# Altium PCB MU_MP_39_V1_ASMB.PcbDoc (part 8 of 15) (continued)
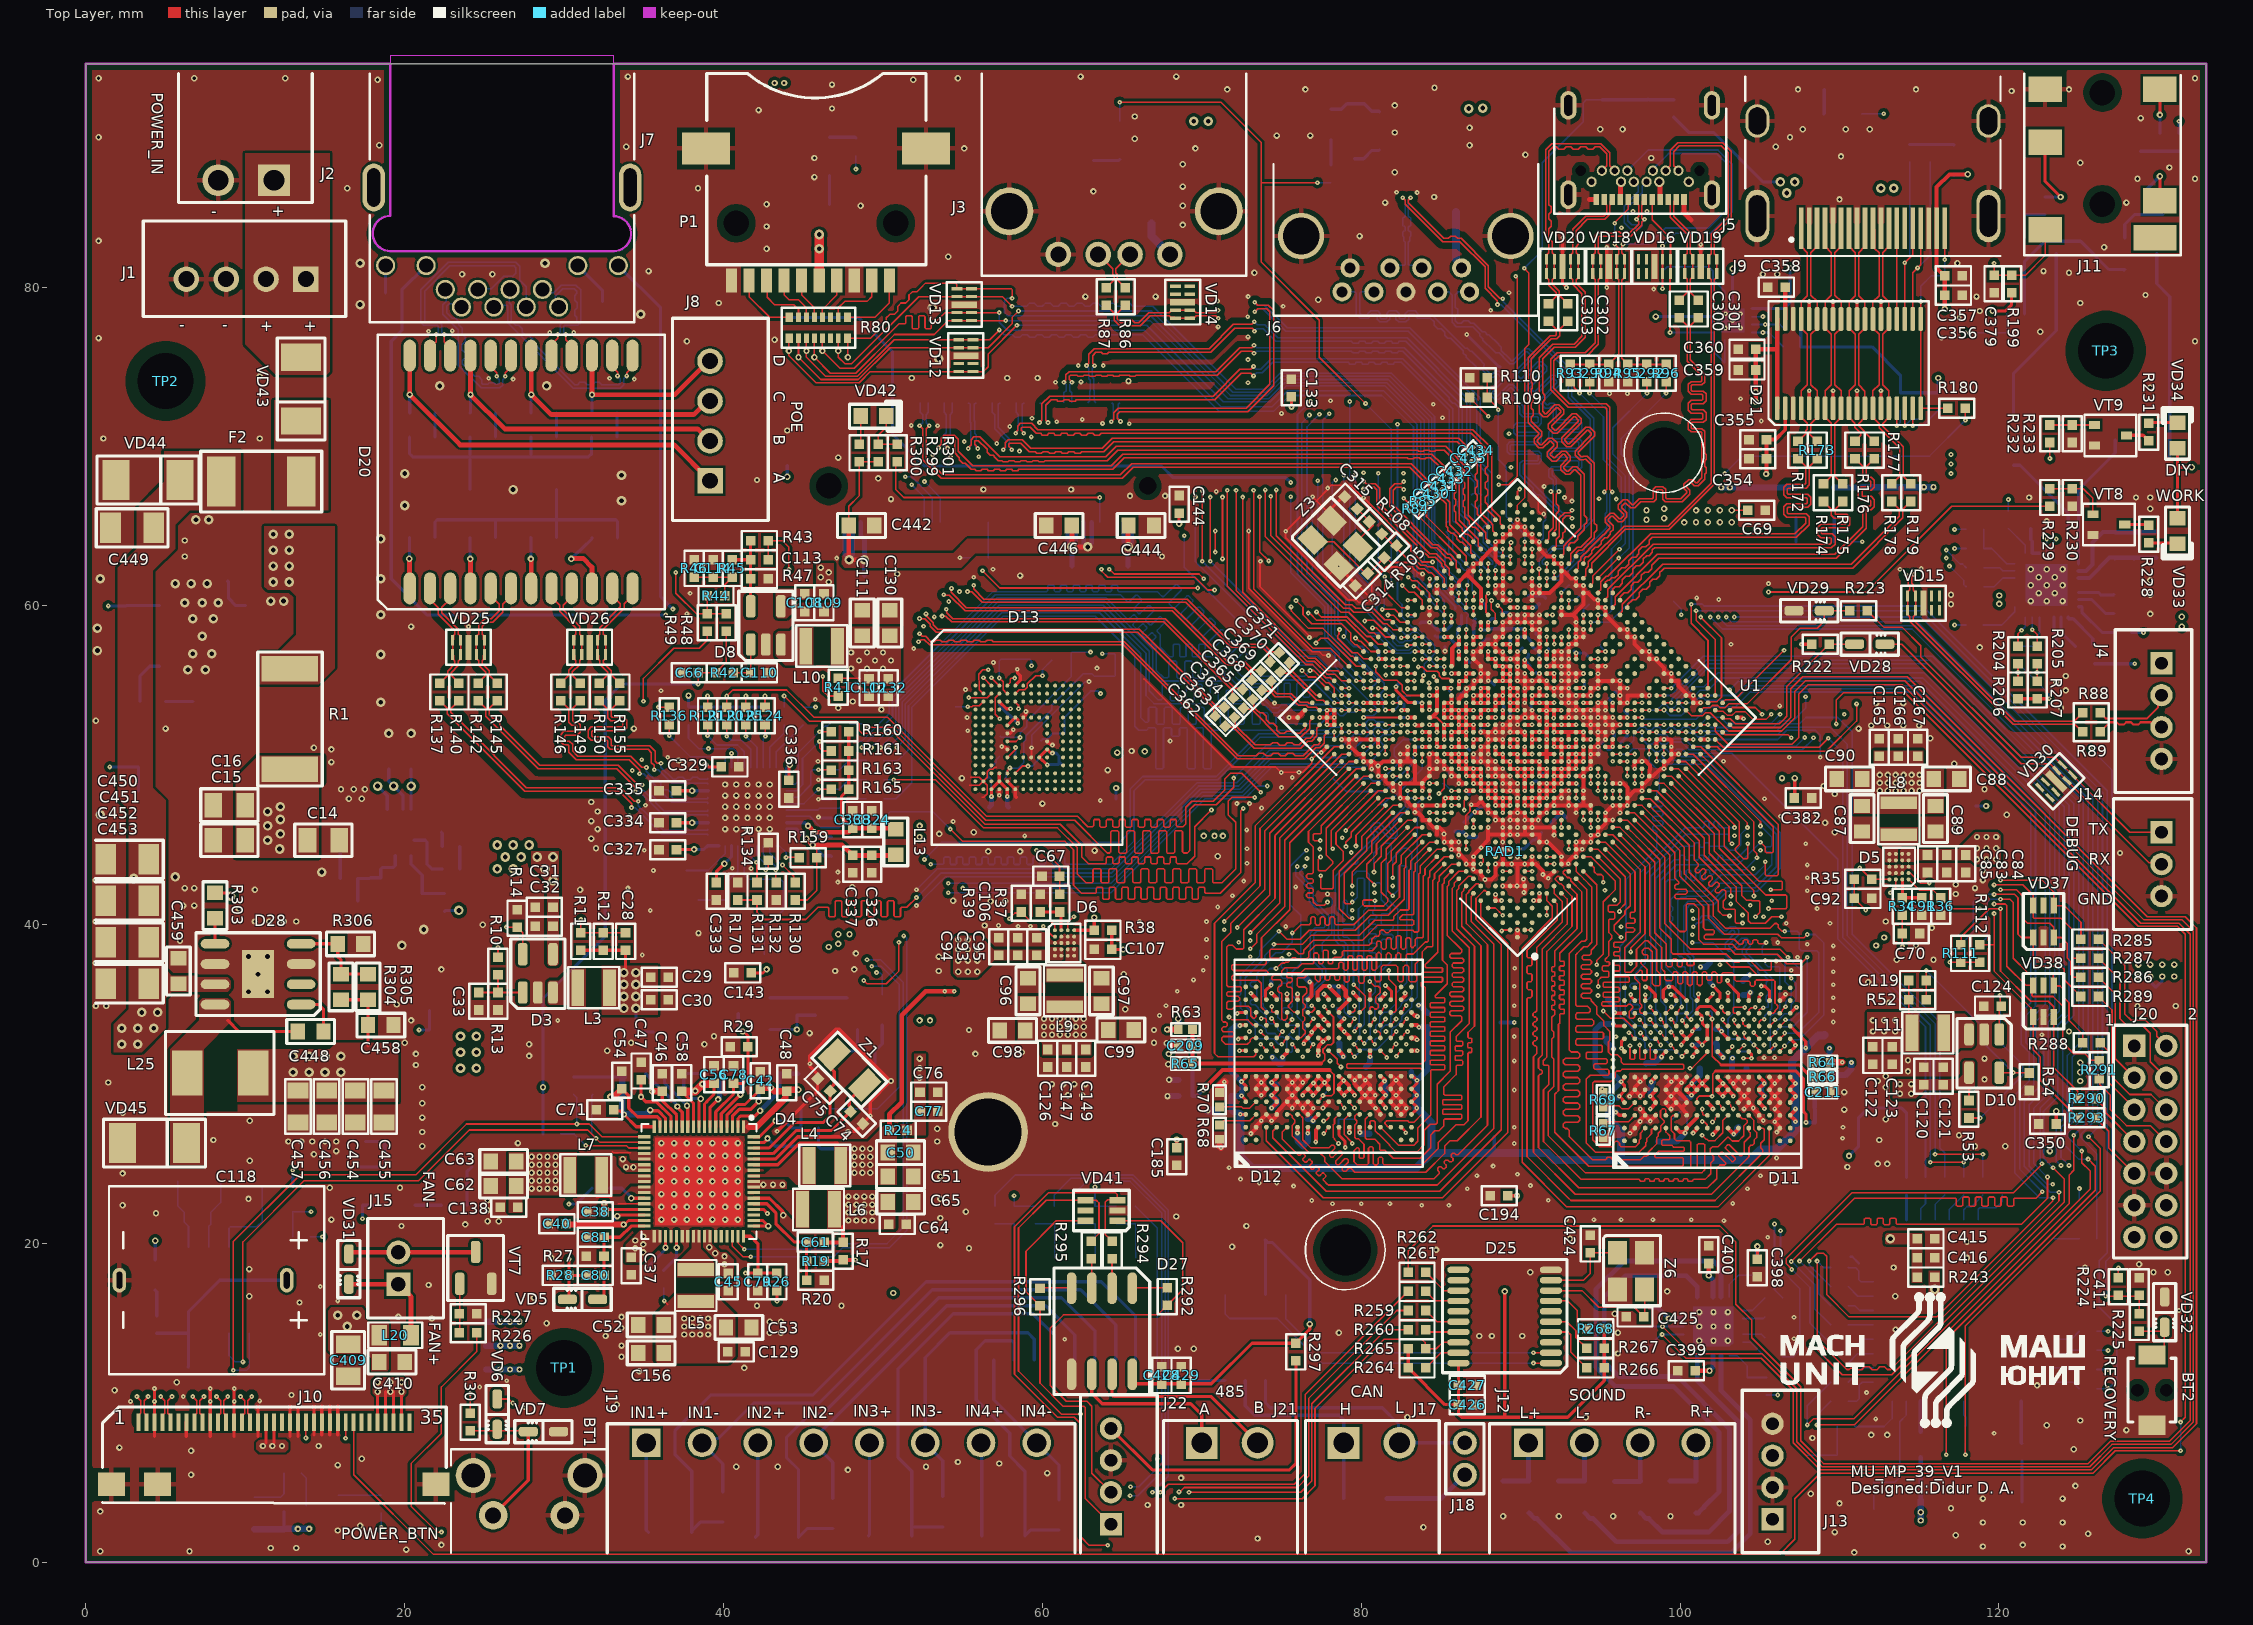
[diagram p0: Top Layer view]
## Nets (pads, with @x,y where several pads share a name; then routed paths per layer and width w, separated by ;. In a path a pad name is that pad's centre, name@x,y a point inside that pad or via, vN(x,y) a via of type N, cw(c..) or ccw(c..) an arc to the next point about the centre after c; other vN are vias at no path point) (continued)
  GND_3 w0.1: 70.95,40.225 71.475,40.75 ; 72.025,33.925 72.125,34.025 72.625,34.025 ; 72.075,32.5 72.675,32.5 ; 72.5,33.275 72.5,33.288 72.8,33.588 72.8,33.85 ; 73.475,32.9 74,32.9 74.025,32.925 ; 73.475,33.725 73.85,33.725 ; 74.025,32.15 74.025,32.925 ; 74.025,33.634 74.025,32.925 ; 74.025,33.811 74.025,34.511 ; 74.1,28.875 74.65,28.875 ; 74.125,29.7 74.6,29.7 74.625,29.725 ; 74.175,34.5 74.625,34.5 ; 74.2,38.45 74.2,38.95 74.525,39.275 ; 74.225,32.1 74.7,32.1 ; 74.375,37.6 75,37.6 ; 74.7,33.825 74.7,34.35 ; 74.725,34.55 74.725,35.15 ; 74.768,31.318 74.768,31.768 74.7,31.836 74.7,32.1 ; 74.775,38.225 75.25,38.225 ; 75,37.05 75,37.6 ; 75.025,35.325 75.025,36 ; 75.325,37.6 75,37.6 ; 75.35,34.4 75.35,33.7 ; 75.375,31.325 75.375,32.1 ; 75.675,35.4 75.675,35.975 ; 75.975,34.375 75.975,33.725 ; 76.05,32.15 76.05,32.875 ; 76.325,26.55 76.325,27.25 ; 76.65,28.85 76.65,29.641 76.709,29.7 77.35,29.7 ; 76.8,43.325 76.8,43.875 ; 76.825,36 77.175,36.35 ; 76.85,31.95 77.1,32.2 77.3,32.2 ; 77.15,42.773 77.15,43.316 77.209,43.375 77.794,43.375 ; 77.275,28.875 77.275,29.172 77.28,29.177 77.28,29.385 77.35,29.456 77.35,29.7 ; 77.3,28.025 77.3,27.375 77.375,27.3 77.975,27.3 ; 77.3,33.025 77.3,32.2 ; 77.3,35.15 77.3,34.5 77.325,34.475 77.325,33.7 ; 77.35,30.375 77.35,29.7 ; 77.575,41.025 77.575,41.9 ; 77.625,31.525 77.625,32.175 77.6,32.2 77.3,32.2 ; 77.9,29.7 77.35,29.7 ; 78.2,41.05 78.2,41.775 ; 78.2,53.475 78.35,53.475 78.788,53.913 ; 78.25,45.179 78.25,45.175 78.95,44.475 ; 78.25,52.6 78.775,52.075 ; 78.275,54.425 78.788,53.913 ; 78.475,31.425 79.166,31.425 79.225,31.484 79.225,32.016 79.284,32.075 79.775,32.075 ; 78.6,45.925 79.1,46.425 ; 78.625,28.9 79.275,28.9 ; 78.75,54.875 79.25,54.375 ; 79.05,26.625 79.6,26.625 ; 79.05,45.5 79.475,45.925 ; 79.1,55.425 79.7,54.825 ; 79.125,40.025 79.125,42.8 ; 79.175,34.5 79.9,34.5 ; 79.2,52.6 79.238,52.563 ; 79.225,33.725 79.9,33.725 ; 79.275,28.125 79.275,28.9 ; 79.275,29.65 79.275,28.9 ; 79.4,32.925 79.725,32.925 ; 79.425,51.725 79.125,51.725 78.775,52.075 ; 79.6,27.3 79.6,26.625 ; 79.7,36.575 79.95,36.325 ; 79.725,55.75 80.175,55.3 ; 79.75,40.025 79.75,42.725 ; 79.875,28.9 79.275,28.9 ; 79.9,31.4 79.9,32.025 79.875,32.05 79.875,32.85 79.9,32.875 79.9,33.725 ; 79.9,35.25 79.9,34.5 ; 80.2,35.625 80.2,36.725 ; 80.2,51.675 80.125,51.675 79.238,52.563 ; 80.225,26.625 79.6,26.625 ; 80.475,42.175 80.475,42.9 ; 80.475,43.725 80.475,42.9 ; 80.525,32.2 80.525,32.9 ; 80.525,34.375 80.525,33.725 ; 80.55,41.125 80.55,41.2 ; 80.55,41.95 80.55,41.2 ; 80.675,55.8 80.175,55.3 ; 80.85,35.575 80.85,36.7 80.875,36.725 ; 81.05,55.3 80.613,54.863 ; 81.05,57.175 81.55,56.675 ; 81.125,42.15 81.125,42.9 ; 81.125,43.725 81.125,42.9 ; 81.175,41.125 81.175,41.2 ; 81.175,41.95 81.175,41.2 ; 81.2,32.2 81.2,32.9 ; 81.2,35.275 81.2,34.575 81.175,34.55 81.175,33.725 ; 81.225,55.85 81.225,56.35 81.55,56.675 ; 81.275,28.925 81.825,28.925 81.85,28.95 ; 81.35,34.475 81.85,34.475 ; 81.4,36.8 81.4,37.275 81.575,37.45 81.9,37.45 82.05,37.3 82.05,36.825 ; 81.575,51.175 81.525,51.175 81.1,51.6 ; 81.575,54.875 81.088,54.388 ; 81.675,41.525 81.675,43.325 ; 81.85,32.125 81.85,32.9 ; 81.85,35.275 81.85,34.475 ; 81.975,32.125 82.45,32.125 ; 82,57.125 81.55,56.675 ; 82.025,54.4 81.55,53.925 ; 82.075,51.575 82.05,51.575 81.55,52.075 ; 82.3,41.525 82.3,43.25 ; 82.4,32.9 81.85,32.9 ; 82.45,56.675 82.013,56.238 81.988,56.238 ; 82.475,53.925 82.013,53.463 ; 82.5,34.525 82.5,33.725 ; 82.55,32.875 82.55,33.575 82.5,33.625 82.5,33.725 ; 82.65,34.5 83,34.5 ; 82.925,47.925 83.068,48.068 83.068,48.071 83.244,48.246 83.246,48.246 83.4,48.4 ; 82.925,56.25 82.463,55.788 82.438,55.788 ; 83.15,35.275 83.15,34.575 83.175,34.55 83.175,33.925 ; 83.15,56.175 83.275,56.05 83.275,55.7 82.9,55.325 ; 83.175,31.775 83.175,32.45 ; 83.2,28.9 83.725,28.9 83.75,28.875 ; 83.2,50.15 83.275,50.15 83.875,50.75 ; 83.375,52.075 83.375,52.105 82.58,52.9 82.575,52.9 82.475,53 ; 83.75,33.15 83.225,33.15 ; 83.825,31.7 83.825,32.45 ; 83.85,34.55 83.85,34 ; 84.05,54.5 84.012,54.538 83.659,54.538 83.023,55.174 83.023,55.202 82.9,55.325 ; 84.475,48.375 84.475,48.182 84.775,47.882 84.775,47.75 ; 84.75,47.05 85.25,46.55 ; 85.185,47.515 85.661,47.039 ; 86,57.575 86.1,57.575 86.15,57.625 ; 86.075,60.35 86.238,60.513 86.314,60.513 86.613,60.813 86.638,60.813 ; 86.075,61.375 86.638,60.813 ; 86.125,58.55 86.6,58.075 ; 86.5,59.825 87.034,60.359 87.034,60.441 86.663,60.813 ; 86.6,57.15 86.461,57.289 86.459,57.289 86.15,57.597 86.15,57.625 ; 87.075,57.575 86.775,57.875 86.775,57.9 86.6,58.075 ; 87.075,58.55 86.6,58.075 ; 87.125,61.275 86.663,60.813 ; 87.4,61.725 87.5,61.725 87.975,62.2 ; 87.45,62.725 87.975,62.2 ; 87.775,56.6 87.875,56.6 88.45,57.175 ; 88.375,56.2 88.925,56.75 ; 88.45,61.725 87.975,62.2 ; 88.45,62.675 87.975,62.2 ; 88.475,39.275 89.15,39.275 89.15,40.025 ; 88.9,64.05 89.961,62.989 89.961,62.987 90.137,62.811 90.139,62.811 90.275,62.675 ; 89.275,60.8 89.364,60.8 89.839,61.275 89.875,61.275 ; 89.3,58.075 89.875,57.5 ; 89.5,64.425 89.5,64.325 90.238,63.588 ; 89.797,58.528 90.372,57.953 ; 90.15,62.55 90.275,62.675 ; 90.675,64 90.263,63.588 90.238,63.588 ; 91.1,61.75 91.2,61.75 ; 91.175,62.75 91.075,62.75 90.713,63.113 ; 91.975,40.325 91.975,40.925 ; 92.1,62.65 91.2,61.75 ; 92.45,60.3 93.125,60.975 ; 93.85,58.95 93.9,58.95 94.387,59.437 ; 93.932,59.918 94.393,59.457 ; 94.45,37.2 94.45,37.8 ; 94.525,35.85 94.525,36.4 ; 94.8,57.175 95.3,56.675 ; 94.821,59.871 94.388,59.438 ; 94.85,56.225 95.3,56.675 ; 94.996,58.854 94.413,59.437 94.387,59.437 ; 95.125,37.175 95.125,37.775 ; 95.175,43.1 95.7,42.575 ; 95.2,35.875 95.2,36.4 ; 95.3,57.575 95.302,57.575 95.751,57.126 ; 95.55,34.925 95.55,34.175 95.6,34.125 96.125,34.125 ; 95.725,49.725 96.717,50.717 ; 95.775,58.125 95.825,58.125 95.935,58.015 95.935,57.932 96.246,57.621 ; 95.825,56.175 95.8,56.175 95.3,56.675 ; 95.9,41.1 95.9,40.7 96.075,40.525 96.35,40.525 96.55,40.725 96.55,41.1 ; 96.025,38.9 96.45,38.9 96.602,39.052 96.602,39.336 96.6,39.338 96.6,39.5 ; 96.125,33.5 96.125,34.125 ; 96.225,34.8 96.225,34.184 96.166,34.125 96.125,34.125 ; 96.225,53.075 96.392,52.908 96.392,52.833 96.663,52.563 96.675,52.55 ; 96.225,56.65 96.075,56.8 96.075,56.802 95.751,57.126 ; 96.25,51.2 96.394,51.056 96.394,51.039 96.717,50.717 ; 96.5,32.725 96.625,32.85 97.15,32.85 ; 96.575,55.175 97.15,55.75 ; 96.6,37.95 96.6,38.625 ; 96.6,56.275 96.625,56.275 97.15,55.75 ; 96.675,53.475 97.138,53.013 ; 96.725,57.125 96.725,57.175 96.603,57.297 96.57,57.297 96.246,57.621 ; 96.775,58.075 96.7,58.075 96.246,57.621 ; 97.025,56.75 97.075,56.75 97.613,56.213 ; 97.15,33.5 97.15,32.85 ; 97.175,32.025 97.175,32.515 97.15,32.54 97.15,32.85 ; 97.175,33.675 97.8,33.675 ; 97.2,53.925 97.313,53.812 97.313,53.796 97.617,53.492 ; 97.225,38 97.225,38.65 ; 97.225,51.175 97.054,51.004 97.004,51.004 96.717,50.717 ; 97.25,50.275 97.773,50.798 97.773,50.88 98.059,51.166 ; 97.5,35.275 97.5,35.875 ; 97.675,55.225 97.15,55.75 ; 97.825,32.025 97.825,32.15 ; 97.85,28.85 98.4,28.85 ; 98,50.225 98.179,50.404 98.254,50.404 98.538,50.688 ; 98.075,49.275 98.075,49.358 96.717,50.717 ; 98.096,53.971 97.617,53.492 ; 98.125,56.7 98.1,56.7 97.613,56.213 ; 98.15,35.875 98.15,35.45 97.825,35.125 97.825,34.475 ; 98.15,55.675 97.613,56.213 ; 98.427,54.252 98.988,54.813 ; 98.451,32.15 97.825,32.15 ; 98.463,32.138 98.463,32.85 ; 98.475,32.15 99.092,32.15 ; 98.475,35.125 98.475,34.475 ; 98.475,55.4 98.692,55.183 98.692,55.108 98.988,54.813 ; 98.513,50.713 98.934,51.134 99.016,51.134 99.482,50.668 ; 98.962,53.887 99.438,54.363 ; 99,53.05 99.111,53.161 99.161,53.161 99.475,53.475 ; 99.075,50.075 99.075,50.15 98.538,50.688 ; 99.125,35.125 99.125,34.475 ; 99.15,31.375 99.15,32.025 99.092,32.083 99.092,32.15 ; 99.55,55.45 99.55,55.375 98.988,54.813 ; 99.725,32.85 99.125,32.85 ; 99.775,35.275 99.775,34.475 ; 99.8,51.325 99.475,51.65 ; 99.975,54.825 99.9,54.825 99.438,54.363 ; 100.2,51.575 100.3,51.575 100.838,52.113 ; 100.4,29.65 101.016,29.65 101.075,29.709 101.075,30.375 ; 100.425,34.475 99.775,34.475 ; 100.45,32 100.45,31.425 ; 100.475,32.1 101.016,32.1 101.075,32.159 101.075,32.825 ; 100.5,39.45 100.5,40.85 ; 100.5,54.45 100.45,54.45 99.9,53.9 ; 100.8,52.975 100.388,52.563 ; 100.85,35.25 100.85,36 ; 100.9,53.9 100.825,53.9 100.412,53.488 100.313,53.488 100.211,53.589 100.211,53.594 100.035,53.769 100.031,53.769 99.9,53.9 ; 101.025,34.425 101.025,33.775 ; 101.05,28.05 101.6,28.05 ; 101.125,39.5 101.125,40.7 ; 101.175,31.425 100.861,31.425 100.852,31.416 100.661,31.416 100.652,31.425 100.45,31.425 ; 101.325,52.6 100.838,52.113 ; 101.45,51.5 101.174,51.776 101.172,51.776 101.05,51.898 101.05,51.9 100.838,52.113 ; 101.475,35.275 101.475,36.058 ; 101.675,34.45 101.675,33.775 ; 101.7,52.925 102.2,53.425 ; 101.725,27.325 101.725,27.925 101.75,27.95 101.75,28.725 ; 101.75,35.825 101.75,36.475 ; 102.3,35.15 102.3,34.45 102.375,34.375 ; 102.325,29.55 102.325,28.95 102.4,28.875 103.025,28.875 ; 102.375,29.65 102.966,29.65 103.025,29.591 103.025,28.875 ; 102.375,35.85 102.375,36.525 ; 102.7,36.075 102.7,35.325 102.925,35.1 102.925,34.45 ; 102.875,41.5 102.875,42.125 103.525,42.125 103.525,41.55 ; 103.025,28 103.025,28.875 ; 103.075,45.575 103.075,46.45 ; 103.325,35.4 103.325,36.1 ; 103.475,40.95 103.475,39.834 103.534,39.775 104.216,39.775 104.275,39.834 104.275,40.775 ; 103.475,44.65 103.475,44.85 103.7,45.075 ; 103.675,28.875 103.025,28.875 ; 103.7,34.525 103.725,34.5 104.35,34.5 ; 103.725,32.925 103.725,33.575 ; 103.75,45.85 103.75,46.4 ; 104.25,41.525 104.489,41.525 104.514,41.5 104.98,41.5 ; 104.325,33.55 104.325,32.825 ; 104.375,35.175 104.375,34.525 104.35,34.5 ; 104.575,36.225 104.575,36.075 104.85,35.8 ; 104.625,44.8 104.625,46.425 ; 104.75,36.5 105.45,36.5 ; 104.9,39.2 105.675,39.2 105.7,39.175 105.7,38.55 ; 104.975,29.65 105.625,29.65 ; 104.975,38.85 105.425,38.4 ; 105,28.85 105.025,28.875 105.55,28.875 ; 105.025,37.436 105.025,38.111 ; 105.55,35.05 105.55,34.475 ; 105.65,37.45 105.65,38.075 ; 106.25,32.05 106.255,32.055 106.255,32.519 106.263,32.527 106.263,32.825 ; 106.25,39.275 106.25,39.975 ; 106.275,33.575 106.275,33.339 106.263,33.327 106.263,32.825 ; 106.45,37.6 106.45,38.35 ; 106.625,36.375 106.625,36.95 ; 106.85,32.825 106.263,32.825 ; 106.9,32.075 106.9,32.7 ; 106.925,28.8 107.5,28.8 ; 106.925,33.725 106.3,33.725 ; 106.975,28.05 107.45,28.05 107.575,27.925 107.575,27.25 ; 106.975,29.65 107.45,29.65 ; 106.975,35.15 106.975,34.5 ; 107.425,31.925 107.538,32.038 107.538,32.351 107.625,32.438 107.625,32.725 ; 107.625,34.5 106.975,34.5 ; 74.7,32.1 75.375,32.1 ; 74.7,32.1 74.7,32.875 75.375,32.875 ; 75.35,33.7 75.95,33.7 75.975,33.725 ; 75.35,33.7 75.35,33.625 75.375,33.6 75.375,32.875 ; 75.375,32.1 75.375,32.875 ; 75.375,32.875 76.05,32.875 ; 75.975,33.725 75.975,33.65 76.05,33.575 76.05,32.875 ; 78.775,52.075 78.775,52.1 79.238,52.563 ; 78.788,53.913 79.25,54.375 ; 78.788,53.913 79.213,53.488 79.225,53.475 ; 79.225,53.475 79.688,53.938 ; 79.225,53.475 79.7,53 ; 79.25,54.375 79.688,53.938 ; 79.25,54.375 79.7,54.825 ; 79.688,53.938 80.163,53.462 ; 79.688,53.938 80.613,54.863 ; 79.7,53 80.163,52.538 ; 79.7,53 80.163,53.462 ; 79.7,54.825 80.175,55.3 ; 79.9,33.725 79.9,34.5 ; 79.9,33.725 80.525,33.725 ; 80.163,52.538 80.625,52.075 ; 80.163,52.538 80.625,53 ; 80.163,53.462 80.625,53 ; 80.163,53.462 81.088,54.388 ; 80.175,55.3 80.613,54.863 ; 80.475,42.9 81.125,42.9 ; 80.525,32.9 80.525,33.725 ; 80.525,32.9 81.2,32.9 ; 80.525,33.725 81.175,33.725 ; 80.55,41.2 81.175,41.2 ; 80.613,54.863 81.088,54.388 ; 80.625,52.075 81.1,51.6 ; 80.625,52.075 81.088,52.538 ; 80.625,53 81.088,52.538 ; 80.625,53 81.55,53.925 ; 81.088,52.538 81.55,52.075 ; 81.088,52.538 82.013,53.463 ; 81.088,54.388 81.55,53.925 ; 81.1,51.6 81.23,51.73 81.23,51.755 81.55,52.075 ; 81.175,33.725 81.85,33.725 ; 81.175,33.725 81.175,33.625 81.2,33.6 81.2,32.9 ; 81.2,32.9 81.85,32.9 ; 81.55,52.075 82.475,53 ; 81.55,53.925 82.013,53.463 ; 81.55,56.675 81.988,56.238 ; 81.85,32.9 81.85,33.725 ; 81.85,33.725 81.85,34.475 ; 81.85,33.725 82.5,33.725 ; 81.988,56.238 82.438,55.788 ; 82.013,53.463 82.475,53 ; 82.438,55.788 82.9,55.325 ; 82.5,33.725 83.15,33.725 83.175,33.7 ; 83.175,32.45 83.825,32.45 ; 83.175,32.45 83.175,32.95 83.225,33 83.225,33.15 ; 83.175,33.7 83.175,33.6 83.225,33.55 83.225,33.15 ; 83.175,33.7 83.175,33.925 ; 83.175,33.925 83.775,33.925 83.85,34 ; 83.825,32.45 83.825,33.025 83.95,33.15 83.95,33.9 83.85,34 ; 86.15,57.625 86.6,58.075 ; 86.638,60.813 86.663,60.813 ; 90.238,63.588 90.713,63.113 ; 90.275,62.675 90.713,63.113 ; 90.275,62.675 91.2,61.75 ; 95.3,56.675 95.751,57.126 ; 95.751,57.126 96.246,57.621 ; 96.675,52.55 97.138,53.013 ; 96.675,52.55 97.166,52.059 97.613,51.613 98.059,51.166 ; 97.138,53.013 97.617,53.492 ; 97.15,32.85 97.825,32.85 ; 97.15,55.75 97.613,56.213 ; 97.8,33.675 97.8,33.5 97.825,33.475 97.825,32.85 ; 97.8,33.675 97.8,34.3 97.825,34.325 97.825,34.475 ; 97.8,33.675 98.475,33.675 ; 97.825,32.15 97.825,32.85 ; 97.825,32.85 98.463,32.85 ; 97.825,34.475 98.475,34.475 ; 98.059,51.166 99.001,52.108 ; 98.059,51.166 98.538,50.688 ; 98.463,32.85 99.125,32.85 ; 98.463,32.85 98.463,33.37 98.475,33.382 98.475,33.675 ; 98.475,33.675 98.475,34.475 ; 98.475,33.675 99.125,33.675 ; 98.475,34.475 99.125,34.475 ; 98.988,54.813 99.418,54.382 99.438,54.363 ; 99.001,52.108 99.88,52.987 99.88,53.07 99.475,53.475 ; 99.001,52.108 99.327,51.782 99.343,51.782 99.475,51.65 ; 99.092,32.15 99.092,32.542 99.125,32.575 99.125,32.85 ; 99.125,32.85 99.125,33.675 ; 99.125,33.675 99.125,34.475 ; 99.125,33.675 99.775,33.675 ; 99.125,34.475 99.775,34.475 ; 99.438,54.363 99.9,53.9 ; 99.475,51.65 100.388,52.563 ; 99.475,53.475 99.9,53.9 ; 99.775,33.675 100.45,33.675 100.536,33.761 100.815,33.761 100.829,33.775 101.025,33.775 ; 99.775,33.675 99.775,31.5 99.85,31.425 100.45,31.425 ; 99.775,33.675 99.775,34.475 ; 100.388,52.563 100.838,52.113 ; 101.025,33.775 101.675,33.775 ; 101.675,33.775 102.375,33.775 ; 102.375,33.775 102.375,33.929 102.374,33.93 102.374,34.178 102.375,34.179 102.375,34.375 ; 102.375,33.775 102.529,33.775 102.55,33.754 102.798,33.754 102.819,33.775 103,33.775 ; 102.375,34.375 102.45,34.45 102.925,34.45 ; 102.925,34.45 102.925,34.325 103,34.25 103,33.775 ; 103,33.775 103.075,33.775 103.125,33.725 105.625,33.725 ; 104.325,32.825 106.263,32.825 ; 104.325,32.825 104.325,32.134 104.266,32.075 103.709,32.075 103.65,32.134 103.65,32.675 103.8,32.825 104.325,32.825 ; 104.35,34.5 104.975,34.5 105,34.475 105.55,34.475 ; 105.55,34.475 105.625,34.475 ; 105.625,33.725 105.625,34.475 ; 105.625,33.725 106.3,33.725 ; 105.625,34.475 106.3,34.475 ; 106.3,33.725 106.3,34.475 ; 106.3,34.475 106.325,34.5 106.975,34.5
  Bottom Layer w0.1: v1(49.85,51.125) 51,52.275 51,54.05 57.225,60.275 63.925,60.275 66.925,57.275 66.925,55.725 67.362,55.288 71.637,55.288 72.025,54.9 73.572,54.9 v1(74.568,53.904) ; v1(50.875,51.125) 51.4,51.65 51.4,53.85 57.35,59.8 63.725,59.8 66.5,57.025 66.5,54.375 67,53.875 73.825,53.875 74.4,53.3 74.758,53.3 74.919,53.461 v1(77.853,53.461) ; v1(52.1,41.2) 53.9,43 64.4,43 69.9,48.5 72.4,48.5 74.3,50.4 v1(76.9,50.4) ; v1(52.1,42.2) 53.4,43.5 64.3,43.5 69.7,48.9 72.2,48.9 74.25,50.95 77.274,50.95 77.35,50.874 77.372,50.874 77.408,50.838 77.462,50.838 v1(77.5,50.8) ; v1(59.325,51.1) 59.325,51.9 62.675,55.25 v1(62.922,55.25) ; C239.1@77.561,38.293 77.561,38.861 78.139,39.439 78.139,41.238 78.192,41.291 78.192,41.621 v1(77.887,41.926) ; v1(100.83,54.38) 100.934,54.38 101.274,54.72 101.77,54.72 102.525,55.475 115.225,55.475 123.5,47.2 123.5,34.7 122.7,33.9 v1(122.7,33.1) ; 103.75,32.05 104.25,32.05
  Bottom Layer w0.11: C254.2@75.619,29.966 C254.2@75.62,30.041 ; v1(76.95,66.85) 76.925,66.825 76.925,62.05 78.55,60.425 78.55,59.058 79.05,58.558 79.05,58.239 78.903,58.092 v1(78.903,58.08) 79.533,57.45 80.074,57.45 R76.1@80.449,57.075 ; C210.1@77.506,35.572 C210.1@77.576,35.572 ; C205.1@77.707,28.601 C205.1@77.811,28.601 ; C236.2@77.71,33.395 C236.2@77.71,33.464 ; v1@78.6,62.474 v1@80.656,60.418 ; C249.2@79.767,30.067 C249.2@79.785,30.067 ; C344.2@82.011,53.398 82.325,53.711 82.325,54.091 82.288,54.128 82.288,54.227 C317.2@82.306,54.244 ; C317.2@82.288,54.233 82.392,54.338 C318.2@83.078,54.338 ; v1(91.164,64.012) 91.187,64.012 91.426,64.251 91.426,65.251 91.576,65.401 91.576,65.602 91.454,65.724 v1(91.454,65.766) ; 97.884,27.6 v1@98.051,27.6 ; C243.2@99.19,30.14 C243.2@99.448,30.14 ; C242.2@99.205,29.124 C242.2@99.316,29.124 ; v1(99.452,51.163) v1@99.503,51.163 ; v1(99.911,50.704) 99.917,50.704 100.071,50.55 102.374,50.55 102.674,50.25 v1(102.725,50.25) ; v1(101.749,51.623) 106.123,51.623 106.7,52.2 108.5,52.2 108.8,51.9 v1(108.8,50.5) ; C212.1@101.89,35.496 C212.1@101.909,35.496
  Bottom Layer w0.15: 110.7,19.175 110.8,19.175 111.225,18.75
  Bottom Layer w0.152: v1(84.746,61.273) 84.746,61.233 84.888,61.091 84.888,60.97 85.897,59.961 C313.2@85.897,59.824
  Bottom Layer w0.2: v1(45.95,46.75) 45.977,46.75 46.027,46.7 R168.1@46.75,46.7 ; v1(45.95,47.875) 45.977,47.875 46.002,47.9 R167.1@46.75,47.9 ; v1(45.95,49.1) R164.1@46.75,49.1 ; C309.1@83.695,58.902 83.769,58.975 v1(84.287,58.975) 84.759,58.503 85.364,58.503 C312.2@85.643,58.783 ; v1(84.287,51.623) C151.2@84.301,51.637 ; v1(85.206,51.623) C153.2@85.22,51.637 ; v1(85.253,57.166) 85.253,57.191 85.262,57.2 C311.2@85.262,57.45 ; C181.2@85.516,49.63 85.516,49.474 v1(85.665,49.325) ; C154.2@86.098,54.302 v1(86.61,54.814) 86.718,54.922 C145.2@86.913,54.922 ; v1(86.584,51.163) 86.794,50.953 C184.2@86.794,50.934 ; v1(86.625,77.025) 88.631,75.019 88.681,75.019 88.7,75 ; C183.2@87.251,50.451 87.297,50.451 v1(87.504,50.244) ; C152.2@87.48,52.3 87.48,52.106 v1(87.504,52.082) ; v1(87.5,57.597) 87.504,57.597 87.839,57.932 C277.2@88.047,57.932 ; v1(87.557,60.342) 87.576,60.323 87.576,60.258 87.807,60.027 C440.2@87.807,59.821 ; v1(87.963,55.299) 88.076,55.299 88.331,55.044 C142.2@88.344,55.044 ; C441.2@88.775,59.595 89.181,59.595 89.341,59.436 v1(89.341,59.434) ; C310.2@89.334,53.313 89.334,53.009 v1(89.342,53.002) ; v1(89.8,50.7) 89.8,50.673 89.85,50.623 89.85,50.494 C163.2@89.868,50.477 ; v1(89.8,57.125) 89.819,57.144 89.871,57.144 90.087,57.36 C297.2@90.114,57.36 ; C135.2@90.249,54.228 90.249,53.932 v1(90.261,53.92) ; C136.2@90.274,53.256 90.252,53.234 90.252,53.05 90.275,53.027 v1(90.275,53) ; C316.2@90.499,60.633 91.42,60.633 C105.2@91.569,60.484 ; C175.2@90.647,53.771 90.647,53.534 v1(90.721,53.461) ; v1(90.72,48.865) 90.858,49.004 C192.2@91.028,49.004 ; C295.2@90.975,55.825 91.048,55.752 91.173,55.752 v1(91.18,55.758) ; C298.2@90.985,58.224 90.985,58.321 v1(91.18,58.516) ; v1(91.18,49.325) 91.316,49.461 C193.2@91.511,49.461 ; v1(91.639,56.218) C294.2@91.707,56.285 ; v1(92.099,56.678) 92.128,56.707 C293.2@92.128,56.946 ; v1(93.018,53.001) C173.2@93.079,52.941 ; C381.2@95.084,51.391 v1(95.316,51.623) ; v1(95.775,52.082) 95.875,51.982 C323.2@95.875,51.825 ; C34.2@95.938,54.617 95.998,54.617 v1(96.235,54.38)
  Bottom Layer w0.254: C238.2@78.522,34.697 78.619,34.6 78.619,34.281 78.776,34.124 78.894,34.124 78.917,34.101 v1(78.93,34.101) ; v1(94.856,51.163) 94.922,51.097 94.922,50.629 ; C381.2@95.067,51.391 C381.2@95.084,51.391 ; v1(100.773,33.319) 100.782,33.319 100.928,33.464 C216.2@101.23,33.464
  Bottom Layer w0.381: v2(67.85,29.25) 67.855,29.25 67.86,29.255 C204.1@68.522,29.255 ; v2(67.9,31.25) 67.905,31.25 67.93,31.275 68.51,31.275 R61.1@68.522,31.287 ; v2(67.95,30.275) v2(67.95,30.275) 68.52,30.273 C203.2@68.522,30.271 ; v1(83.602,34.944) 83.68,34.944 C227.2@84.174,34.45 ; C226.2@95.388,32.869 95.388,32.658 95.82,32.226 v1(95.82,32.201) ; v1(101.281,37.354) 101.615,37.354 C247.1@101.89,37.629 ; C217.2@102.246,33.464 102.456,33.464 v1(102.602,33.319) ; C246.2@103.269,30.982 103.269,31.609 v1(103.289,31.629) ; C218.2@103.947,36.483 104.032,36.568 104.051,36.568 104.329,36.846 v1(104.37,36.846)
  Bottom Layer w0.508: v1(70.394,28.311) 70.423,28.34 C228.2@70.96,28.34